# Altium PCB CameraControler0.8.2.PcbDoc (part 3 of 3) (continued)
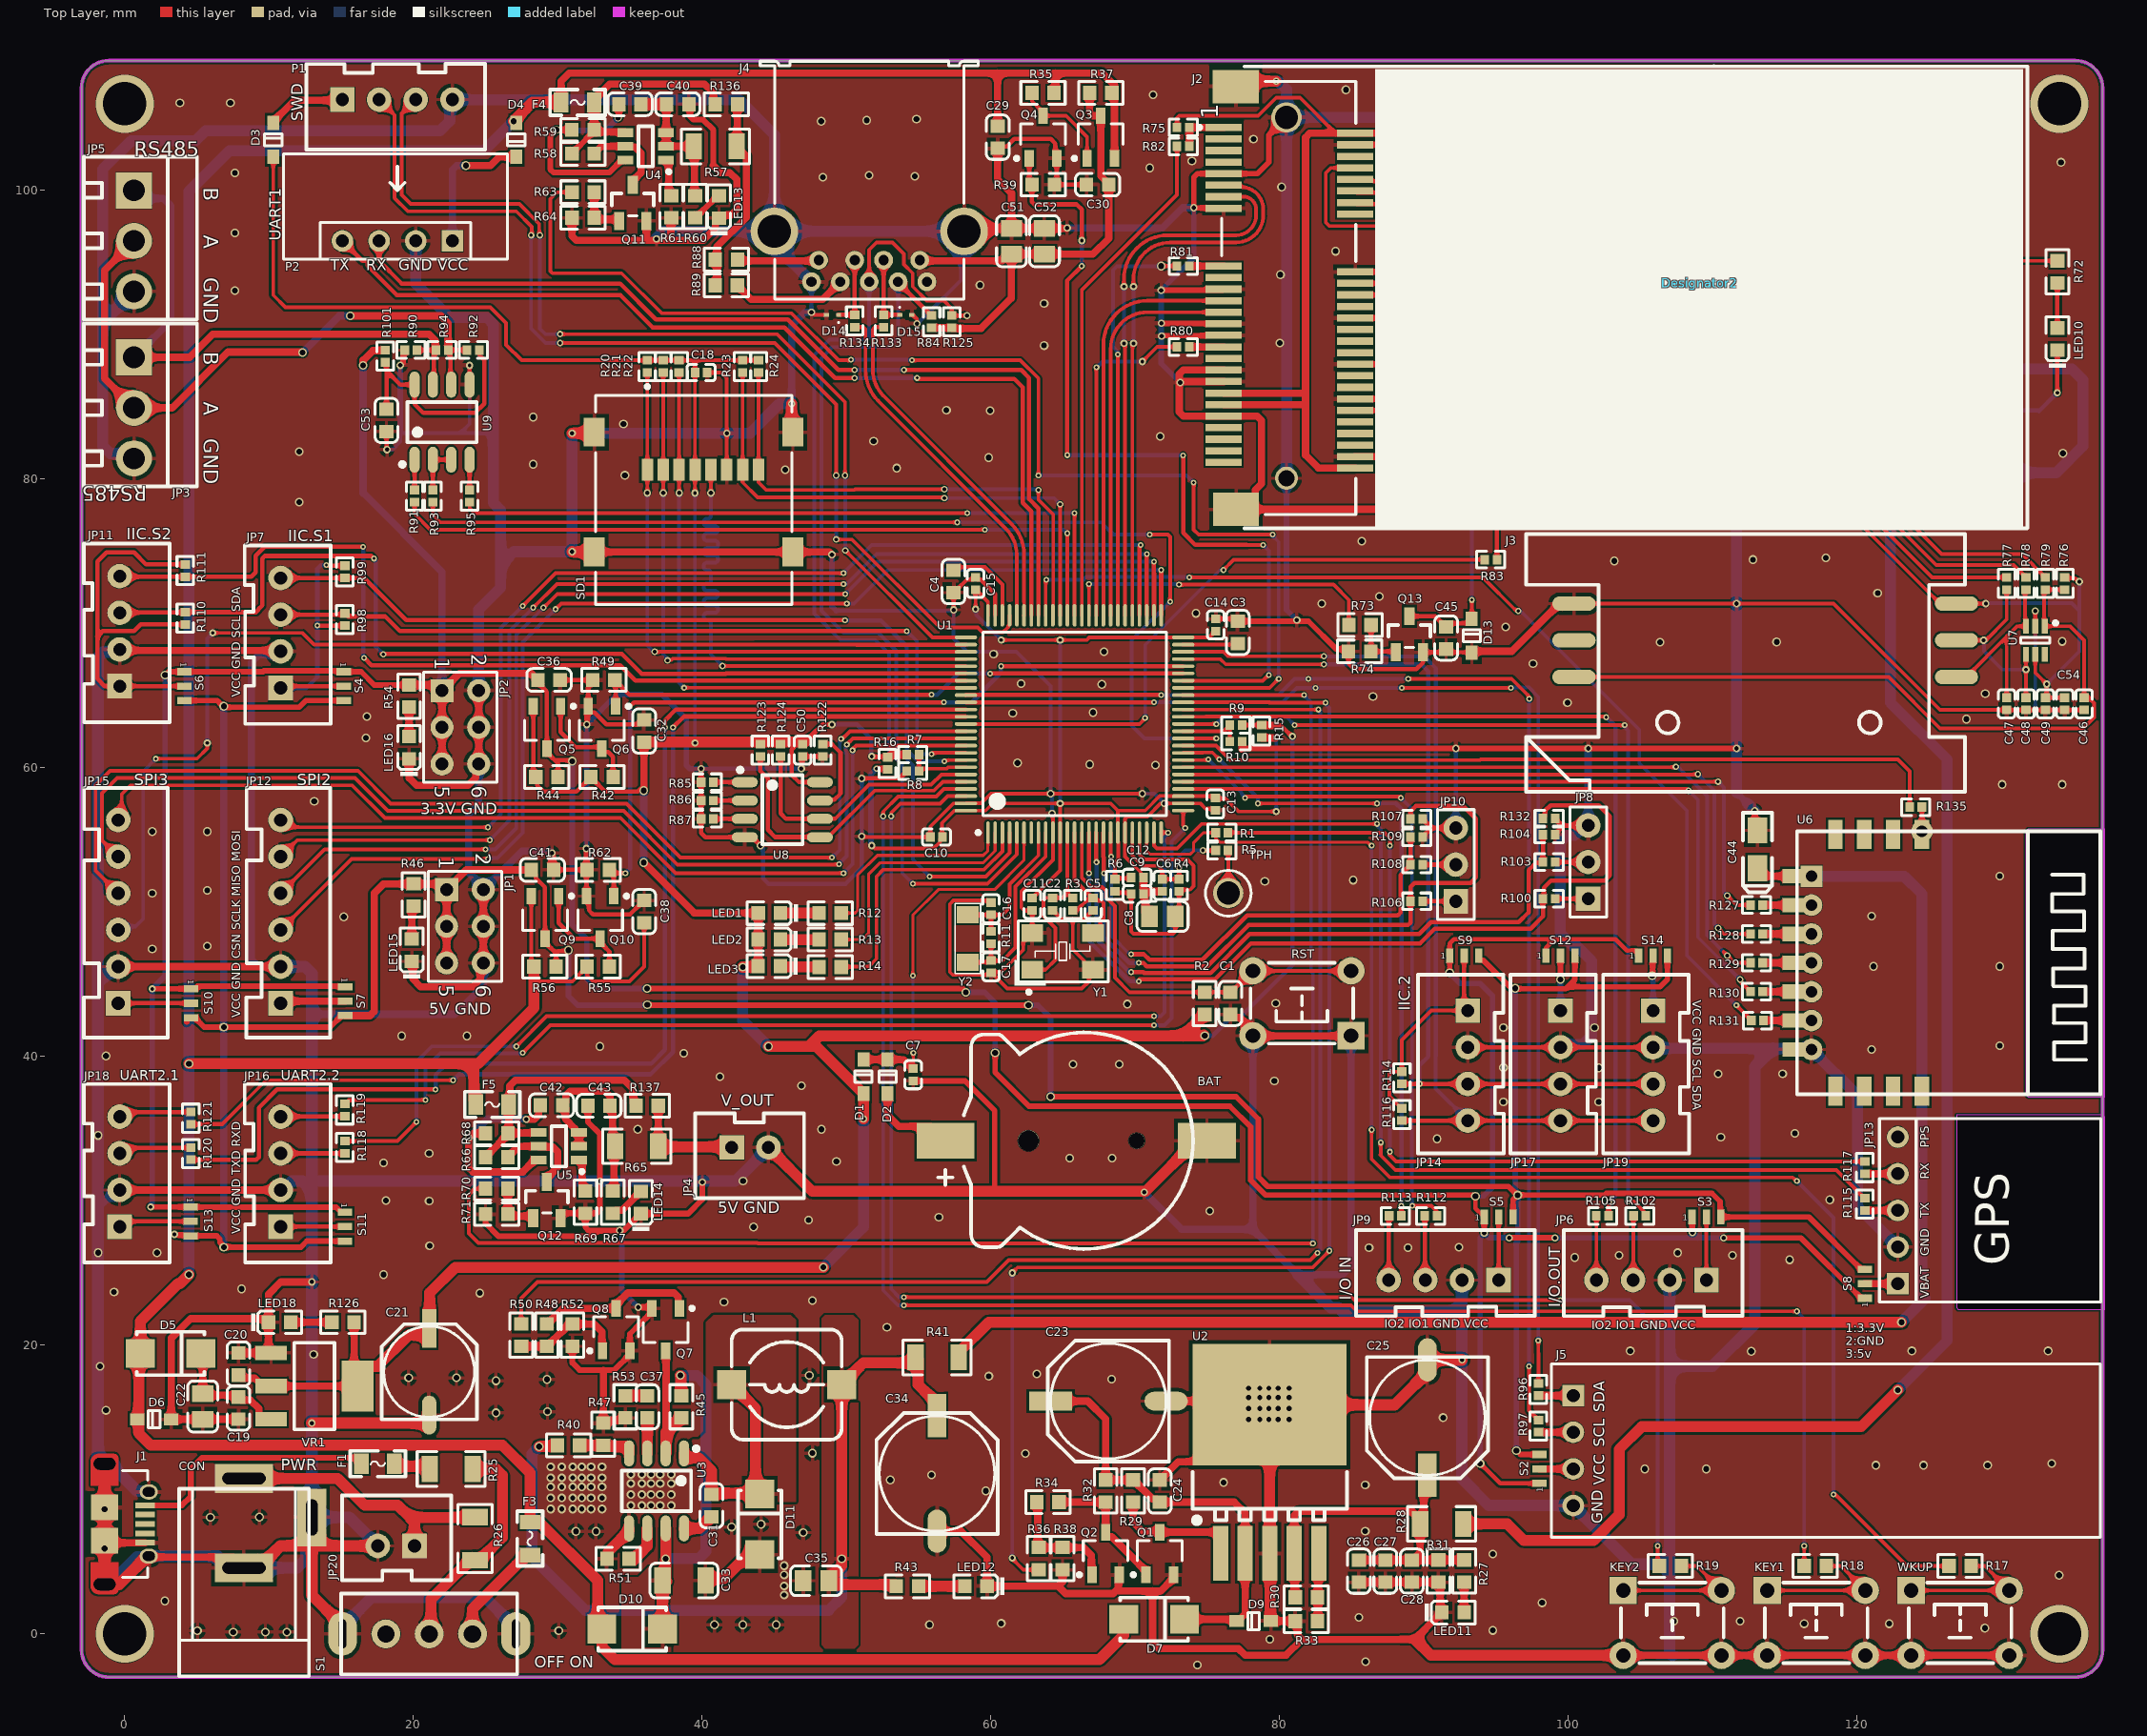
[diagram p0: Top Layer view]
## Nets (pads, with @x,y where several pads share a name; then routed paths per layer and width w, separated by ;. In a path a pad name is that pad's centre, name@x,y a point inside that pad or via, vN(x,y) a via of type N, cw(c..) or ccw(c..) an arc to the next point about the centre after c; other vN are vias at no path point) (continued)
NetR51_1: R51.1 U3.6 | length 4.1
  Top Layer w0.762: R51.1@34.933,5.207 35.306,5.207 36.164,6.065 36.164,7.275 U3.6@36.195,7.306 36.195,6.072
NetR61_1: R61.1 U4.1 | length 2.7
  Top Layer w0.5: U4.1@37.474,102.103 37.613,102.103 37.663,102.053 37.663,99.829 R61.1@37.852,99.64
NetR69_1: R69.1 U5.1 | length 2.4
  Top Layer w0.5: U5.1@31.457,32.832 31.63,32.832 31.68,32.782 31.68,30.899 31.895,30.684 R69.1@31.903,30.684
NetR85_1: R85.1 U8.1 | length 2.2
  Top Layer w0.3: R85.1@40.768,59.003 U8.1@42.95,59.003
NetR86_1: R86.1 U8.2 | length 2.2
  Top Layer w0.3: R86.1@40.768,57.733 U8.2@42.95,57.733
NetR87_1: R87.1 U8.3 | length 2.2
  Top Layer w0.3: R87.1@40.768,56.463 U8.3@42.95,56.463
NetR91_2: R91.2 U9.1 | length 2.1
  Top Layer w0.3: R91.2@20.07,79.248 U9.1@20.07,81.347
NetR93_2: R93.2 U9.2 U9.3 | length 3.4
  Top Layer w0.3: R93.2@21.34,79.248 U9.2@21.34,81.347 U9.3@22.61,81.347
NetR95_2: R95.2 U9.4 | length 2.1
  Top Layer w0.3: R95.2@23.88,79.248 U9.4@23.88,81.347
NetR122_2: R122.2 U8.7 | length 5.9
  Top Layer w0.3: U8.7@48.15,57.733 48.227,57.81 49.173,57.81 49.575,58.212 49.575,61.045 48.979,61.641 R122.2@48.344,61.641
NetR127_2: R127.2 U6.2 | length 2.2
  Top Layer w0.5: R127.2@113.455,50.492 U6.2@115.683,50.492
NetR128_2: R128.2 U6.3 | length 2.2
  Top Layer w0.5: R128.2@113.455,48.488 R128.2@113.455,48.488 115.681,48.49 U6.3@115.683,48.492
NetR129_2: R129.2 U6.4 | length 2.2
  Top Layer w0.5: R129.2@113.455,46.492 U6.4@115.683,46.492
NetR130_2: R130.2 U6.5 | length 2.2
  Top Layer w0.5: R130.2@113.455,44.492 U6.5@115.683,44.492
NetR131_2: R131.2 U6.6 | length 2.3
  Top Layer w0.508: R131.2@113.509,42.492 U6.6@115.828,42.492
NetR135_1: R135.1 U6.12 | length 1.9
  Top Layer w0.254: U6.12@124.478,55.392 U6.12@124.478,55.592 R135.1@124.478,57.277
OSC32_IN: C16.1 R11.2 U1.8 Y2.2 | length 10.3
  Top Layer w0.254: Y2.2@58.388,49.827 58.401,49.814 C16.1@60.001,49.814 ; R11.2@60.001,48.657 C16.1@60.001,49.814 ; U1.8@63.286,55.511 63.286,53.936 61.286,51.936 61.286,50.308 60.792,49.814 C16.1@60.001,49.814
OSC32_OUT: C17.1 R11.1 U1.9 Y2.1 | length 13.7
  Top Layer w0.254: Y2.1@58.388,46.527 59.879,46.527 C17.1@60.001,46.649 ; R11.1@60.001,47.807 C17.1@60.001,46.649 ; U1.9@63.786,55.511 63.786,53.862 61.697,51.772 61.697,47.548 60.786,46.637 60.013,46.637 C17.1@60.001,46.649
PRESET: C45.2 D13.2 J2.22 Q13.3 | length 34.9
  Top Layer w0.254: C45.2@91.498,69.767 C45.2@91.523,69.767 C45.2@91.769,70.013 ; 92.456,92.761 93.301,91.916 v2(93.301,79.629) ; D13.2@92.986,70.013 D13.2@93.301,70.328 v2(93.301,71.628)
  Top Layer w0.3: J2.22@85.217,92.761 92.456,92.761 ; Q13.3@88.983,70.501 90.764,70.501 C45.2@91.498,69.767 ; C45.2@91.769,70.013 D13.2@92.986,70.013
  Bottom Layer w0.254: v2(93.301,71.628) v2(93.301,79.629)
PWRER_CAM: R63.1 U1.43 | length 87.2
  Top Layer w0.254: R63.1@30.978,99.878 29.939,99.878 29.47,99.409 29.47,94.417 29.619,94.268 34.407,94.268 37.187,91.488 46.187,91.488 49.442,88.233 50.26,88.233 v2(50.292,88.265) ; v2(54.522,88.233) 62.028,88.233 63.286,86.975 v2(63.286,80.264) ; U1.43@73.311,65.536 79.293,65.536 v2(79.924,66.167) ; v2(74.041,79.756) 74.041,76.498 74.378,76.161 v2(79.502,76.161)
  Bottom Layer w0.254: v2(50.292,88.265) 54.49,88.265 v2(54.522,88.233) ; v2(63.286,80.264) 73.533,80.264 v2(74.041,79.756) ; v2(79.502,76.161) 79.502,76.073 79.924,75.651 v2(79.924,66.167)
PWRER_MIC: R36.1 U1.41 | length 92.5
  Top Layer w0.254: v5(61.468,5.261) 61.468,5.207 62.232,4.443 R36.1@63.302,4.443 ; v5(61.468,25.001) 61.468,25.019 61.836,25.387 82.281,25.387 v2(83.436,26.543) ; U1.41@73.311,64.536 79.248,64.536 ; 79.268,64.536 79.285,64.519 v2(83.182,64.518)
  Bottom Layer w0.254: v5(61.468,5.261) v5(61.468,25.001) ; v2(83.182,64.518) 83.182,64.412 83.436,64.158 83.436,26.584 v2(83.436,26.543)
PWRER_MP: R50.1 U1.40 | length 105.3
  Top Layer w0.254: R50.1@27.451,21.463 27.451,23.26 28.575,24.384 59.704,24.384 61.215,25.895 82.106,25.895 v2(82.614,26.403) ; U1.40@73.311,64.036 v2(82.677,64.036)
  Bottom Layer w0.254: v2(82.614,26.403) 82.614,26.445 82.804,26.635 v2@82.804,63.953 ; v2@82.648,64.007 v2(82.677,64.036)
PWRER_OUT: R70.1 U1.42 | length 109.4
  Top Layer w0.254: R70.1@24.986,30.841 24.237,30.841 23.823,30.427 23.823,27.739 24.482,27.08 43.818,27.08 43.847,27.051 v2(82.296,27.051) ; U1.42@73.311,65.036 v2(81.679,65.036)
  Bottom Layer w0.254: v2(81.679,65.036) 81.679,65.026 82.169,64.536 82.169,45.878 82.296,45.751 v2(82.296,27.051)
PWRER_OUT3.3: Q6.1 R49.2 U1.45 | length 42.2
  Top Layer w0.3: R49.2@33.946,66.084 33.946,66.059 R49.2@33.999,66.006 ; Q6.1@33.999,64.265 R49.2@33.999,66.006 ; v2(55.88,65.065) 38.967,65.065 38.944,65.042 34.963,65.042 R49.2@33.999,66.006 ; v2(59.944,66.536) 59.95,66.53 73.305,66.53 U1.45@73.311,66.536
  Bottom Layer w0.3: v2(55.88,65.065) 56.275,65.065 57.746,66.536 v2(59.944,66.536)
PWRER_OUT5: Q10.1 R62.2 U1.46 | length 54.2
  Top Layer w0.3: R62.2@33.568,52.933 R62.2@33.797,52.705 ; Q10.1@33.875,51.114 33.875,52.626 R62.2@33.797,52.705 ; v2(34.671,52.705) R62.2@33.797,52.705 ; v2(34.99,64.265) 35.261,64.536 v2(56.737,64.536) ; v2(60.707,67.036) U1.46@73.311,67.036
  Bottom Layer w0.3: v2(34.671,52.705) 34.99,53.024 v2(34.99,64.265) ; v2(56.737,64.536) 58.659,64.536 60.687,66.564 60.687,67.016 v2(60.707,67.036)
PWRER_USB: Q4.1 R39.2 U1.44 | length 58.8
  Top Layer w0.254: U1.44@73.311,66.036 78.822,66.036 79.207,66.421 v2(79.248,66.421) ; 77.724,75.438 v2(78.859,75.438)
  Top Layer w0.3: Q4.1@62.651,102.221 62.651,100.597 R39.2@62.846,100.402 62.831,100.387 62.831,99.21 63.007,99.034 65.931,99.034 66.286,98.679 66.286,96.528 v5(66.294,96.52) ; v2(65.278,81.661) 65.278,93.753 v2(66.286,94.761) ; v2(73.313,81.65) 73.313,76.282 74.157,75.438 77.724,75.438
  Bottom Layer w0.254: v2(78.859,75.438) 79.248,75.049 v2(79.248,66.421)
  Bottom Layer w0.3: v2(65.278,81.661) 65.289,81.65 v2(73.313,81.65) ; v2(66.286,94.761) 66.294,94.769 v5(66.294,96.52)
RS485_RE: R93.1 U1.36 | length 75.3
  Top Layer w0.254: R93.1@21.34,78.398 21.34,77.527 21.861,77.006 v2(57.658,77.006) ; v2(70.991,76.161) 72.246,76.161 72.406,76.001 v2(72.406,71.515) ; U1.36@73.311,62.036 v2(75.601,62.036)
  Bottom Layer w0.254: v2(57.658,77.006) 67.647,77.006 68.492,76.161 v2(70.991,76.161) ; v2(72.406,71.515) 72.404,71.515 69.743,68.854 69.743,62.918 70.626,62.036 v2(75.601,62.036)
SDIO_CMD: R22.2 SD1.3 U1.83 | length 41.5
  Top Layer w0.254: v4(38.396,79.038) SD1.3@38.396,80.652 R22.2@38.396,87.383 ; v2(38.735,65.548) 56.642,65.548 56.654,65.536 U1.83@58.261,65.536
  Bottom Layer w0.254: v4(38.396,79.038) 38.396,65.887 v2(38.735,65.548)
SDIO_D0: R23.2 SD1.7 U1.65 | length 37.9
  Top Layer w0.254: R23.2@42.796,87.383 SD1.7@42.796,80.652 42.796,79.775 43.831,78.74 56.737,78.74 56.769,78.708 v6(56.769,78.689) ; U1.65@64.786,70.561 v6(64.786,78.256)
  Bottom Layer w0.254: v6(56.769,78.689) 64.353,78.689 v6(64.786,78.256)
SDIO_D1: R24.2 SD1.8 U1.66 | length 36.3
  Top Layer w0.254: R24.2@43.896,87.383 SD1.8@43.896,80.652 43.896,79.775 44.423,79.248 50.543,79.248 50.594,79.299 v6(56.769,79.299) ; v6(63.286,79.248) 63.286,78.57 64.307,77.55 64.307,70.582 U1.66@64.286,70.561
  Bottom Layer w0.254: v6(56.769,79.299) v6@63.279,79.299
SDIO_D2: R20.2 SD1.1 U1.78 | length 41.2
  Top Layer w0.254: v4(36.196,79.038) SD1.1@36.196,80.652 R20.2@36.196,87.383 ; v6(36.703,68.036) U1.78@58.261,68.036
  Bottom Layer w0.254: v4(36.196,79.038) 36.196,68.452 36.576,68.072 v6@36.703,68.072
SDIO_D3: R21.2 SD1.2 U1.79 | length 40.7
  Top Layer w0.254: v4(37.296,79.038) SD1.2@37.296,80.652 R21.2@37.296,87.383 ; v6(37.592,67.437) 37.631,67.476 37.863,67.476 37.947,67.56 41.612,67.56 41.636,67.536 U1.79@58.261,67.536
  Bottom Layer w0.254: v4(37.296,79.038) 37.296,67.86 v6@37.62,67.536
SDIO_SCK: SD1.5 U1.80 | length 40.1
  Top Layer w0.254: v4(40.596,79.038) SD1.5@40.596,80.652 ; v6(41.402,67.052) 58.245,67.052 U1.80@58.261,67.036
  Bottom Layer w0.254: v4(40.596,79.038) 40.596,77.47 cw(c40.386,77.47) 40.386,77.26 40.342,77.26 ccw(c40.342,77.006) 40.088,77.006 ccw(c40.342,77.006) 40.342,76.752 40.596,76.752 40.85,76.752 cw(c40.85,76.498) 41.104,76.498 cw(c40.85,76.498) 40.85,76.244 40.596,76.244 40.342,76.244 ccw(c40.342,75.99) 40.088,75.99 ccw(c40.342,75.99) 40.342,75.736 40.596,75.736 40.85,75.736 cw(c40.85,75.482) 41.104,75.482 cw(c40.85,75.482) 40.85,75.228 40.596,75.228 40.342,75.228 ccw(c40.342,74.974) 40.088,74.974 ccw(c40.342,74.974) 40.342,74.72 40.596,74.72 40.85,74.72 cw(c40.85,74.466) 41.104,74.466 cw(c40.85,74.466) 40.85,74.212 40.596,74.212 40.342,74.212 ccw(c40.342,73.958) 40.088,73.958 ccw(c40.342,73.958) 40.342,73.704 cw(c40.342,73.45) 40.596,73.45 40.596,72.771 40.342,72.771 ccw(c40.342,72.517) 40.088,72.517 ccw(c40.342,72.517) 40.342,72.263 40.596,72.263 40.85,72.263 cw(c40.85,72.009) 41.104,72.009 cw(c40.85,72.009) 40.85,71.755 40.596,71.755 40.342,71.755 ccw(c40.342,71.501) 40.088,71.501 ccw(c40.342,71.501) 40.342,71.247 40.596,71.247 40.85,71.247 cw(c40.85,70.993) 41.104,70.993 cw(c40.85,70.993) 40.85,70.739 40.596,70.739 40.342,70.739 ccw(c40.342,70.485) 40.088,70.485 ccw(c40.342,70.485) 40.342,70.231 cw(c40.342,69.977) 40.596,69.977 40.596,67.862 41.402,67.056 v6(41.402,67.052)
SPI2_CSN: JP12.3 U1.51 | length 82.2
  Top Layer w0.254: JP12.3@10.795,48.768 15.723,53.696 v2(25.146,53.696) ; v2(29.845,70.993) 30.226,71.374 v2(50.016,71.374)
  Top Layer w0.3: U1.51@71.786,70.561 71.797,70.572 71.786,70.583 v2(71.786,73.704)
  Bottom Layer w0.254: v2(25.146,53.696) 25.197,53.746 25.803,53.746 27.559,55.503 27.559,68.707 v2(29.845,70.993) ; v2(50.016,71.374) 50.514,71.374 52.844,73.704 v2(71.786,73.704)
SPI2_MISO: JP12.5 U1.53 | length 80.6
  Top Layer w0.254: JP12.5@10.795,53.848 11.938,54.991 v2(25.273,54.991) ; v2(28.291,71.097) 29.926,72.732 v2(49.784,72.732)
  Top Layer w0.3: U1.53@70.786,70.561 70.78,70.567 70.78,74.797 v2(70.786,74.803)
  Bottom Layer w0.254: v2(25.273,54.991) 26.645,56.363 26.645,69.451 v2(28.291,71.097) ; v2(49.784,72.732) 49.999,72.732 52.07,74.803 v2(70.786,74.803)
SPI2_MOSI: JP12.6 U1.54 | length 80.4
  Top Layer w0.254: JP12.6@10.795,56.388 11.303,55.88 v2(25.146,55.88) ; v2(27.559,71.215) 29.828,73.483 v2(49.784,73.483)
  Top Layer w0.3: U1.54@70.286,70.561 70.28,70.567 70.28,75.332 70.358,75.409 v2(70.358,75.438)
  Bottom Layer w0.254: v2(25.146,55.88) 26.035,56.769 26.035,69.691 v2(27.559,71.215) ; v2(49.784,73.483) 51.739,75.438 v2(70.358,75.438)
SPI2_SCLK: JP12.4 U1.52 | length 81.6
  Top Layer w0.254: JP12.4@10.795,51.308 13.843,54.356 v2(24.986,54.356) ; v2(28.997,71.097) 29.009,71.097 29.952,72.041 v2(49.911,72.041)
  Top Layer w0.3: U1.52@71.286,70.561 71.292,70.567 71.292,73.483 71.28,73.495 71.28,73.913 71.286,73.919 v2(71.286,74.289)
  Bottom Layer w0.254: v2(24.986,54.356) 25.654,54.356 27.12,55.822 27.12,69.22 v2(28.997,71.097) ; v2(49.911,72.041) 52.16,74.289 v2(71.286,74.289)
SPI3_CSN: JP15.3 U1.77 | length 78
  Top Layer w0.254: v2(2.159,60.63) 5.004,60.63 5.715,61.341 v5(5.715,61.722) ; v5(6.096,69.342) 12.319,69.342 13.117,68.544 43.579,68.544 43.587,68.536 50.673,68.536
  Top Layer w0.3: 50.673,68.536 U1.77@58.261,68.536
  Bottom Layer w0.254: JP15.3@-0.457,48.768 -0.203,49.022 0.762,49.022 1.27,49.53 1.27,59.741 v2(2.159,60.63) ; v5(5.715,61.722) 5.715,68.961 v5(6.096,69.342)
SPI3_MISO: JP15.5 U1.90 | length 75.8
  Top Layer w0.254: JP15.5@-0.457,53.848 -1.587,54.977 -1.587,58.23 -0.531,59.286 15.953,59.286 18.222,57.017 34.548,57.017 38.268,53.297 49.453,53.297 v2(49.468,53.313) ; v2(50.016,61.617) 50.435,62.036 U1.90@58.261,62.036
  Bottom Layer w0.254: v2(49.468,53.313) 49.468,53.353 50.005,53.89 50.005,60.946 49.928,61.022 49.928,61.53 v2(50.016,61.617)
SPI3_MOSI: JP15.6 U1.91 | length 71.5
  Top Layer w0.254: JP15.6@-0.457,56.388 -0.21,56.635 -0.21,58.166 0.408,58.784 15.745,58.784 18.014,56.515 34.341,56.515 38.151,52.705 v2(49.784,52.705) ; v2(50.411,61.222) 50.375,61.258 50.375,61.267 50.643,61.534 55.932,61.534 55.934,61.536 U1.91@58.261,61.536
  Bottom Layer w0.254: v2(49.784,52.705) 50.411,53.332 v2(50.411,61.222)
SPI3_SCLK: JP15.4 U1.89 | length 79.4
  Top Layer w0.254: JP15.4@-0.457,51.308 -2.032,52.883 -2.032,58.778 -1.024,59.786 16.16,59.786 18.429,57.517 34.756,57.517 38.493,53.78 v2(48.979,53.78) ; v2(49.621,62.012) 49.658,61.975 49.667,61.975 50.228,62.536 U1.89@58.261,62.536
  Bottom Layer w0.254: v2(48.979,53.78) 49.522,54.323 49.522,61.914 v2(49.621,62.012)
SWCLK: P1.3 U1.76 | length 69
  Top Layer w0.254: P1.3@20.152,106.291 19.187,105.326 19.187,99.685 19.812,99.06 27.327,99.06 28.702,97.685 28.702,96.952 v6(28.753,96.901) ; v6(30.153,90.043) 45.179,90.043 49.886,85.336 v6(49.886,80.257) ; v6(49.911,75.057) 55.932,69.036 U1.76@58.261,69.036
  Bottom Layer w0.254: v6(28.753,96.901) 28.753,90.424 29.134,90.043 v6(30.153,90.043) ; v6(49.886,80.257) 49.911,80.232 v6(49.911,75.057)
SWDIO: P1.2 U1.72 | length 73.1
  Top Layer w0.254: P1.2@17.612,106.291 18.679,105.225 18.679,99.475 19.602,98.552 27.116,98.552 28.194,97.474 28.194,96.952 v6(28.143,96.901) ; v6(30.153,89.433) 45.016,89.433 49.276,85.174 v6(49.276,80.264) ; v6(49.276,75.819) 50.375,75.819 56.471,69.723 59.078,69.723 59.413,69.388 60.835,69.388 61.19,69.743 61.19,69.819 61.286,69.915 U1.72@61.286,70.561
  Bottom Layer w0.254: v6@28.245,96.799 v6(28.143,96.901) 28.143,90.424 29.134,89.433 v6(30.153,89.433) ; v6(49.276,75.819) v6(49.276,80.264)
UART2_RXD_1: R119.2 U1.26 | length 75.8
  Top Layer w0.254: R119.2@15.24,36.72 15.513,36.993 v2(20.832,36.993) ; v2(27.569,40.249) 29.484,42.164 v2(71.286,42.164) ; U1.26@73.311,57.036 73.311,56.012 73.45,55.873 v2(73.45,55.832)
  Bottom Layer w0.254: v2(20.832,36.993) 20.832,39.185 21.862,40.215 27.535,40.215 v2(27.569,40.249) ; v2(71.286,42.164) 72.009,42.164 72.517,42.672 72.517,54.899 v2(73.45,55.832)
UART2_RXD_2: R121.2 U1.87 | length 78.6
  Top Layer w0.254: 6.744,35.306 9.792,38.354 v2(22.733,38.354)
  Top Layer w0.3: R121.2@4.572,35.306 6.744,35.306 ; v2(37.973,62.805) 38.724,63.556 58.241,63.556 U1.87@58.261,63.536
  Bottom Layer w0.3: v2(22.733,38.354) 23.149,38.77 36.43,38.77 37.973,40.314 v2(37.973,62.805)
UART2_TXD_1: R118.2 U1.25 | length 75.9
  Top Layer w0.254: R118.2@15.24,34.141 18.878,34.141 v2(20.205,35.467) ; v2(27.12,40.698) 29.221,42.799 v2(71.286,42.799) ; U1.25@71.786,55.511 v2(72.263,55.511)
  Bottom Layer w0.254: v2(20.205,35.467) 20.205,39.636 21.267,40.698 v2(27.12,40.698) ; v2(71.286,42.799) 71.755,42.799 72.009,43.053 72.009,55.216 72.263,55.47 v2(72.263,55.511)
UART2_TXD_2: R120.2 U1.86 | length 82.6
  Top Layer w0.3: R120.2@4.572,32.849 9.105,32.849 9.281,33.025 9.281,36.449 10.551,37.719 v2(21.523,37.719) ; v2(37.414,62.805) 37.414,63.286 38.159,64.03 58.255,64.03 U1.86@58.261,64.036
  Bottom Layer w0.3: v2(21.523,37.719) 21.523,38.733 22.287,39.497 36.449,39.497 37.414,40.462 v2(37.414,62.805)
UART3_CTS: J2.25 U1.58 | length 27.7
  Top Layer w0.254: U1.58@68.286,70.561 68.286,79.502 68.286,81.961 68.286,83.561 68.286,86.233 68.286,89.021 cw(c70.826,89.021) 70.826,91.561 J2.25@76.117,91.561
UART3_RTS: J2.23 U1.59 | length 28.8
  Top Layer w0.254: U1.59@67.786,70.561 67.786,80.257 67.793,80.264 67.793,89.314 67.786,89.321 cw(c70.826,89.321) 70.826,92.361 J2.23@76.117,92.361
UART3_RXD: J2.13 U1.56 | length 38.2
  Top Layer w0.254: v5(69.206,89.408) cw(c69.206,89.328) 69.286,89.328 69.286,80.761 69.286,79.248 69.286,78.486 69.286,76.835 U1.56@69.286,70.561 ; v5(69.206,93.343) 69.206,93.853 cw(c72.246,93.853) 72.246,96.893 76.967,96.893 ccw(c76.967,98.285) 78.359,98.285 78.359,98.696 ccw(c77.494,98.696) 77.494,99.561 J2.13@76.117,99.561
  Bottom Layer w0.254: v5(69.206,89.408) v5(69.206,93.343)
UART3_TXD: J2.11 U1.55 | length 38.9
  Top Layer w0.254: U1.55@69.786,70.561 69.786,89.328 cw(c69.866,89.328) v5(69.866,89.408) ; v5(69.866,93.343) 69.866,93.853 cw(c72.406,93.853) 72.406,96.393 76.967,96.393 ccw(c76.967,98.285) 78.859,98.285 78.859,98.679 ccw(c77.304,98.679) 77.304,100.234 76.424,100.234 cw(c76.424,100.668) J2.11@76.117,100.361
  Bottom Layer w0.254: v5(69.866,89.408) v5(69.866,93.343)
UART4_RXD: R115.2 U1.24 | length 75
  Top Layer w0.254: U1.24@71.286,55.511 71.286,54.605 71.483,54.409 72.895,54.409 74.602,56.115 v2(86.741,56.115) ; v2(86.995,34.036) 86.995,33.235 86.951,33.191 88.011,32.131 118.554,32.131 120.498,30.187 R115.2@120.523,30.187
  Bottom Layer w0.254: v2(86.741,56.115) 86.741,56.009 86.995,55.755 v2(86.995,34.036)
UART4_TXD: R1.2 R117.2 | length 66.5
  Top Layer w0.254: R1.2@76.415,55.511 87.264,55.511 87.63,55.145 v2(87.63,54.605) ; v2(87.63,33.401) 87.601,33.372 87.601,33.206 87.586,33.191 88.05,32.727 R117.2@120.523,32.727
  Bottom Layer w0.254: v2(87.63,33.401) v2(87.63,54.605)
UART6_RXD: R91.1 U1.64 | length 52.8
  Top Layer w0.254: R91.1@20.07,78.398 20.07,77.593 21.166,76.498 v2(59.563,76.498) ; U1.64@65.286,69.97 v2@65.286,76.161
  Bottom Layer w0.254: v2(59.563,76.498) 65.024,76.498 v2(65.278,76.244)
UART6_TXD: R95.1 U1.63 | length 49.6
  Top Layer w0.254: R95.1@23.88,78.398 23.88,78 24.232,77.648 v2(58.363,77.648) ; U1.63@65.786,70.561 v2(65.786,77.648)
  Bottom Layer w0.254: v2@58.363,77.597 58.414,77.648 v2(65.786,77.648)
USB_N: R133.1 U1.70 | length 24.7
  Top Layer w0.254: R133.1@52.562,90.529 52.07,90.529 ccw(c52.07,90.275) 51.89,90.455 ccw(c52.07,90.275) 51.816,90.275 51.816,87.556 ccw(c54.356,87.556) 52.56,85.76 61.396,76.924 cw(c59.247,74.775) 62.286,74.775 62.286,71.501 62.294,71.493 62.294,70.561 U1.70@62.286,70.561
USB_P: R134.1 U1.71 | length 24.7
  Top Layer w0.254: R134.1@50.562,90.529 51.054,90.529 cw(c51.054,90.275) 51.234,90.455 cw(c51.054,90.275) 51.308,90.275 51.308,87.555 ccw(c54.353,87.555) 52.2,85.402 61.034,76.568 cw(c59.238,74.771) 61.778,74.771 61.778,71.001 61.786,70.993 U1.71@61.786,70.561
USIM_CLK: J2.12 R78.1 | length 57.6
  Top Layer w0.254: J2.12@85.217,99.961 85.344,99.834 99.671,99.834 125.464,74.041 130.841,74.041 R78.1@131.686,73.196
USIM_DATA: J2.10 R79.1 | length 59.2
  Top Layer w0.254: J2.10@85.217,100.761 85.344,100.634 100.003,100.634 125.834,74.803 131.419,74.803 R79.1@133.026,73.196
USIM_RST: J2.14 R77.1 | length 55.9
  Top Layer w0.254: J2.14@85.217,99.161 85.344,99.034 99.34,99.034 125.178,73.196 R77.1@130.346,73.196
USIM_VDD: C49.2 C54.2 J2.8 J3.1 R76.2 U7.5 | length 82.2
  Top Layer w0.254: J2.8@85.344,101.434 J2.8@85.217,101.561 83.527,101.561 83.185,101.219 83.185,97.79 83.439,97.536 99.568,97.536 125.73,71.374 J3.1@125.476,71.374 ; J3.1@126.873,71.374 v5(128.907,71.374) ; U7.5@132.334,67.864 132.334,66.58 v5(133.119,65.795) 133.119,64.947 C49.2@133.03,64.858 C54.2@134.372,64.858 ; R76.2@134.366,73.196 134.423,73.139 135.072,73.139 135.313,72.898 v5(135.382,72.898)
  Bottom Layer w0.254: v5(128.907,71.374) 128.932,71.399 134.849,71.399 135.382,70.866 ; v5(133.119,65.795) 135.382,68.058 135.382,70.866 ; v5(135.382,72.898) 135.382,70.866
VDDA: C8.2 C9.2 R4.2 R6.2 U1.22 | length 18
  Top Layer w0.254: R6.2@68.58,51.435 68.667,51.347 69.617,51.347 C9.2@69.704,51.26 69.704,48.663 69.853,48.514 72.622,48.514 72.771,48.663 C8.2@72.771,49.701 73.025,49.955 R4.2@73.025,51.435 73.152,51.562 73.787,51.562 74.041,51.816 74.041,53.213 73.607,53.647 70.63,53.647 70.286,53.991 U1.22@70.286,55.511
WiFi_EN: R135.2 U1.35 | length 53.6
  Top Layer w0.254: U1.35@73.311,61.536 73.313,61.534 75.576,61.534 76.574,60.536 93.873,60.536 93.916,60.579 122.809,60.579 123.628,59.76 R135.2@123.628,57.277
WiFi_MISO: R128.1 U1.31 | length 49.3
  Top Layer w0.254: U1.31@73.311,59.536 108.939,59.536 v6(108.966,59.563) ; v6(110.363,48.895) 110.77,48.488 R128.1@112.605,48.488
  Bottom Layer w0.254: v6(108.966,59.563) 110.109,58.42 110.109,49.149 v6(110.363,48.895)
WiFi_MOSI: R129.1 U1.32 | length 50.9
  Top Layer w0.254: U1.32@73.311,60.036 107.407,60.036 v6(107.442,60.071) ; 110.744,47.244 v6(110.998,46.99) 111.496,46.492 R129.1@112.605,46.492
  Bottom Layer w0.254: v6(107.442,60.071) 107.569,60.071 109.601,58.039 109.601,48.387 v6(110.998,46.99)
WiFi_nCS: R130.1 U1.29 | length 50.8
  Top Layer w0.254: U1.29@73.311,58.536 108.215,58.536 v6(108.331,58.42) ; v6(111.887,45.339) 111.887,45.21 R130.1@112.605,44.492
  Bottom Layer w0.254: v6(108.331,58.42) 108.966,57.785 108.966,48.26 v6(111.887,45.339)
WiFi_nRST: R131.1 U1.67 | length 71.3
  Top Layer w0.254: U1.67@63.786,70.561 63.786,72.946 63.824,72.984 v2(63.824,73.025) ; v2(73.736,73.196) 94.063,73.196 96.393,70.866 v2(96.52,70.866) ; v2(111.633,43.561) 111.633,43.543 112.659,42.517 R131.1@112.659,42.492
  Bottom Layer w0.254: v2(63.824,73.025) 66.396,73.025 66.586,73.215 73.717,73.215 v2(73.736,73.196) ; v2@96.592,70.938 104.902,62.627 104.902,60.325 108.204,57.023 108.204,46.99 v2(111.633,43.561)
WiFi_SCLK: R127.1 U1.30 | length 47.1
  Top Layer w0.254: U1.30@73.311,59.036 73.313,59.038 110.346,59.038 v6(110.354,59.046) ; v6(110.998,51.142) 111.648,50.492 R127.1@112.605,50.492
  Bottom Layer w0.254: v6(110.354,59.046) 110.769,58.63 110.769,51.371 v6(110.998,51.142)
pads on no net: BAT.0 J1.2 J1.3 J1.4 J2.3 J2.5 J2.6 J2.7 J2.16 J2.19 J2.24 J2.28 J2.30 J2.32 J2.33 J2.36 J2.38 J2.44 J2.45 J2.46 J2.47 J2.48 J2.49 J2.51 J3.5 J4.9 JP13.5 S1.1 U1.7 U6.8 U6.9 U6.10 U6.11 U6.13 U6.14 U6.15 U7.6
copper on no net:
  other v8: 0,0 134,0 0,106 134,106

## Polygon pours and split planes (outlines as drawn)
GND on Top Layer "GND_L01_P022" (solid, pour order 22): -3.302,108.204 -2.286,109.22 136.017,109.22 137.287,107.95 137.287,-2.032 136.017,-3.302 -2.032,-3.302 -3.302,-2.032
NetC31_2 on Top Layer "MP1584_SW" (solid, pour order 8): 38.481,12.065 38.481,13.462 39.751,13.462 40.259,13.97 40.259,21.59 40.767,22.098 46.136,22.098 46.482,21.752 46.482,9.144 40.259,9.144 40.259,11.43 39.624,12.065
GND on Top Layer "MP1584_GND2" (solid, pour order 12): 38.481,5.334 40.386,5.334 42.037,6.985 46.99,6.985 47.625,6.35 47.625,-1.397 47.117,-1.905 38.735,-1.905 38.481,-1.651
GND on Top Layer "GND_MP1584" (solid, pour order 4): 33.751,4.572 33.808,4.629 33.808,5.518 35.25,6.96 35.25,8.255 35.504,8.509 39.243,8.509 39.243,11.303 28.702,11.303 27.94,12.065 27.94,13.716 28.448,14.224 35.179,14.224 35.179,15.494 33.655,15.494 33.655,18.034 36.703,18.034 36.703,20.701 34.417,20.701 34.036,20.32 34.036,19.177 33.655,18.796 28.067,18.796 27.178,17.907 27.178,8.509 31.496,4.953
NetC34_1 on Top Layer "GND_L01_MP1584_VO" (solid, pour order 16): 48.26,-0.762 48.26,21.844 48.514,22.098 50.454,22.098 50.8,21.752 50.8,-0.762 50.546,-1.016 48.514,-1.016
NetC33_1 on Top Layer "MP1584_Vin" (solid, pour order 6): 34.417,3.937 34.417,-1.397 34.925,-1.905 37.592,-1.905 37.846,-1.651 37.846,8.001 37.592,8.255 37.338,8.255 37.084,8.001 37.084,5.461 35.56,3.937
GND on Bottom Layer "GND_L02_P024" (solid, pour order 24): -3.302,108.204 -2.286,109.22 136.017,109.22 137.287,107.95 137.287,-2.032 136.017,-3.302 -2.032,-3.302 -3.302,-2.032
GND on Bottom Layer "GND_L02_MP1584_GND" (solid, pour order 18): 33.528,-1.905 27.178,4.445 27.178,20.32 28.956,22.098 50.454,22.098 50.8,21.752 50.8,-1.905

## Keep-outs
Keep-Out Layer:
  lines w0.254: -3,-1.1 -3,107.1 cw(c-1.1,107.1) -1.1,109 135.1,109 cw(c135.1,107.1) 137,107.1 137,-1.1 cw(c135.1,-1.1) 135.1,-3 -1.1,-3 ; -2.995,-1.095 ccw(c-1.095,-1.095) -1.095,-2.995

## Silkscreen, mask and mechanical layers (free items; w line width, h text height)
Top Overlay:
  text "SWD" at 12.319,104.792 h0.8 r90
  text "RS485" at 0.635,102.338 h1
  text "B" at 5.461,100.203 h1 r270
  text "A" at 5.461,96.901 h1 r270
  text "UART1" at 10.795,96.501 h0.8 r90
  text "GND" at 5.461,93.98 h1 r270
  text "B" at 5.461,88.819 h1 r270
  text "A" at 5.461,85.347 h1 r270
  text "GND" at 5.461,82.807 h1 r270
  text "RS485" at 1.524,79.502 h1 r180
  text "IIC.S2" at 0.127,75.819 h0.8
  text "IIC.S1" at 11.303,75.694 h0.8
  text "VCC GND SCL SDA" at 8.001,64.897 h0.6 r90
  text "SPI3" at 0.635,58.801 h0.8
  text "SPI2" at 11.938,58.801 h0.8
  text "3.3V GND" at 20.479,56.769 h0.8
  text "VCC GND SCL SDA" at 108.585,43.917 h0.6 r270
  text "IIC.2" at 89.03,43.18 h0.8 r90
  text "5V GND" at 21.082,42.926 h0.8
  text "VCC GND CSN SCLK MISO MOSI" at 8.001,42.672 h0.6 r90
  text "UART2.2" at 10.795,38.371 h0.7
  text "UART2.1" at -0.356,38.354 h0.7
  text "V_OUT" at 41.318,36.588 h0.8
  text "5V GND" at 41.09,29.151 h0.8
  text "VCC GND TXD RXD" at 8.001,27.686 h0.6 r90
  text "I/O IN" at 84.934,23.114 h0.8 r90
  text "I/O.OUT" at 99.441,22.622 h0.8 r90
  text "IO2 IO1 GND VCC" at 87.249,21.209 h0.6
  text "IO2 IO1 GND VCC" at 101.6,21.082 h0.6
  text "1:3.3V / 2:GND / 3:5v" at 119.202,19.101 h0.6
  text "PWR" at 10.795,11.313 h0.8
  text "OFF" at 28.368,-2.333 h0.8
  text "ON" at 30.8,-2.333 h0.8
Bottom Overlay:
  text "陆生脊椎动物设备 V4.0" at 58.42,9.931 h2.54
  text "2019年5月" at 58.42,7.823 h2.54
  text "Institute of Zoology,CAS" at 58.42,5.69 h2.54
  text "College of Control Science and Engineering, ZJU" at 58.42,3.556 h2.54
Mechanical 8:
  lines w0.2: 33.655,4.572 28.733,4.572 27.178,6.127 27.178,17.907 28.067,18.796 33.401,18.796 33.655,18.796 34.036,19.177 34.036,20.32 34.417,20.701 36.703,20.701 36.703,18.034 35.56,18.034 34.671,18.034 ; 33.751,4.572 33.751,5.461 35.25,6.96 35.25,8.255 35.504,8.509 39.243,8.509 39.243,11.303 28.702,11.303 27.94,12.065 27.94,13.716 28.448,14.224 35.179,14.224 35.179,15.494 33.655,15.494 33.655,18.034 34.544,18.034 ; 38.481,12.065 38.481,13.462 39.751,13.462 40.259,13.97 40.259,21.59 40.767,22.098 46.136,22.098 46.482,21.752 46.482,9.144 40.259,9.144 40.259,11.43 39.624,12.065 38.735,12.065 ; 47.625,-0.762 47.625,-1.397 47.117,-1.905 38.735,-1.905 38.481,-1.651 38.481,5.334 40.386,5.334 42.037,6.985 46.99,6.985 47.625,6.35 47.625,-0.635 ; -3.302,-2.032 -3.302,-0.889 -3.302,108.204 -2.286,109.22 136.017,109.22 137.287,107.95 137.287,-2.032 136.017,-3.302 -2.032,-3.302 -3.302,-2.032 ; 34.417,-1.397 34.925,-1.905 37.592,-1.905 37.846,-1.651 37.846,8.001 37.592,8.255 37.338,8.255 37.084,8.001 37.084,5.461 35.56,3.937 34.417,3.937 34.417,-1.397 ; 48.26,-0.762 48.26,5.928 48.26,21.844 48.514,22.098 50.454,22.098 50.8,21.752 50.8,-0.762 50.546,-1.016 48.514,-1.016 48.26,-0.762

## Text inside footprints (layer, text, board x,y; h text height)
J1: Mechanical 2 "PCB Edge" at -3.397,8.713 h0.41 r270
J2: Top Overlay "1" at 75.736,104.945 h1.2 r90
J4: Bottom Overlay "DC" at 48.387,97.028 h0.6 r90; Bottom Overlay "DP" at 50.927,97.028 h0.6 r90; Bottom Overlay "DM" at 52.832,97.028 h0.6 r90; Bottom Overlay "VCC" at 55.372,97.536 h0.6 r90; Bottom Overlay "GND" at 47.879,92.837 h0.6 r90; Bottom Overlay "DC" at 49.784,92.819 h0.6 r90; Bottom Overlay "ACT" at 51.816,92.71 h0.6 r90; Bottom Overlay "IN" at 53.848,92.837 h0.6 r90; Bottom Overlay "NC" at 55.88,92.819 h0.6 r90
J5: Top Overlay "GND" at 102.616,7.62 h1.27 r90; Top Overlay "SCL" at 102.743,12.938 h1.27 r90; Top Overlay "SDA" at 102.743,15.367 h1.27 r90; Top Overlay "VCC" at 102.743,10.287 h1.27 r90
JP1: Top Overlay "6" at 24.325,44.958 h1.02 r270; Top Overlay "5" at 21.785,44.958 h1.02 r270; Top Overlay "2" at 24.325,54.102 h1.02 r270; Top Overlay "1" at 21.785,53.848 h1.02 r270
JP2: Top Overlay "6" at 24.007,58.741 h1.02 r270; Top Overlay "5" at 21.467,58.741 h1.02 r270; Top Overlay "2" at 24.007,67.885 h1.02 r270; Top Overlay "1" at 21.467,67.631 h1.02 r270
JP13: Top Overlay "GPS" at 131.318,25.527 h4 r90; Top Overlay "VBAT" at 124.968,23.241 h0.6 r90; Top Overlay "GND" at 124.968,26.162 h0.6 r90; Top Overlay "TX" at 124.968,28.829 h0.6 r90; Top Overlay "RX" at 124.968,31.496 h0.6 r90; Top Overlay "PPS" at 124.968,33.655 h0.6 r90
P2: Top Overlay "GND" at 18.967,94.207 h1.27; Top Overlay "TX" at 14.249,94.207 h1.27; Top Overlay "RX" at 16.725,94.207 h1.27; Top Overlay "VCC" at 21.657,94.207 h1.27
S2: Top Overlay "1" at 98.219,9.795 h0.4 r90
S3: Top Overlay "1" at 107.915,28.654 h0.4
S4: Top Overlay "1" at 14.938,67.294 h0.4 r270
S5: Top Overlay "1" at 93.525,28.654 h0.4
S6: Top Overlay "1" at 3.889,67.294 h0.4 r270
S7: Top Overlay "1" at 15.04,45.466 h0.4 r270
S8: Top Overlay "1" at 120.752,22.622 h0.4 r90
S9: Top Overlay "1" at 91.139,46.761 h0.4
S10: Top Overlay "1" at 4.372,45.323 h0.4 r270
S11: Top Overlay "1" at 15.011,29.846 h0.4 r270
S12: Top Overlay "1" at 97.806,46.761 h0.4
S13: Top Overlay "1" at 4.324,30.21 h0.4 r270
S14: Top Overlay "1" at 104.219,46.761 h0.4